# Allegro board meta_module_lay_rev1.brd (continued)
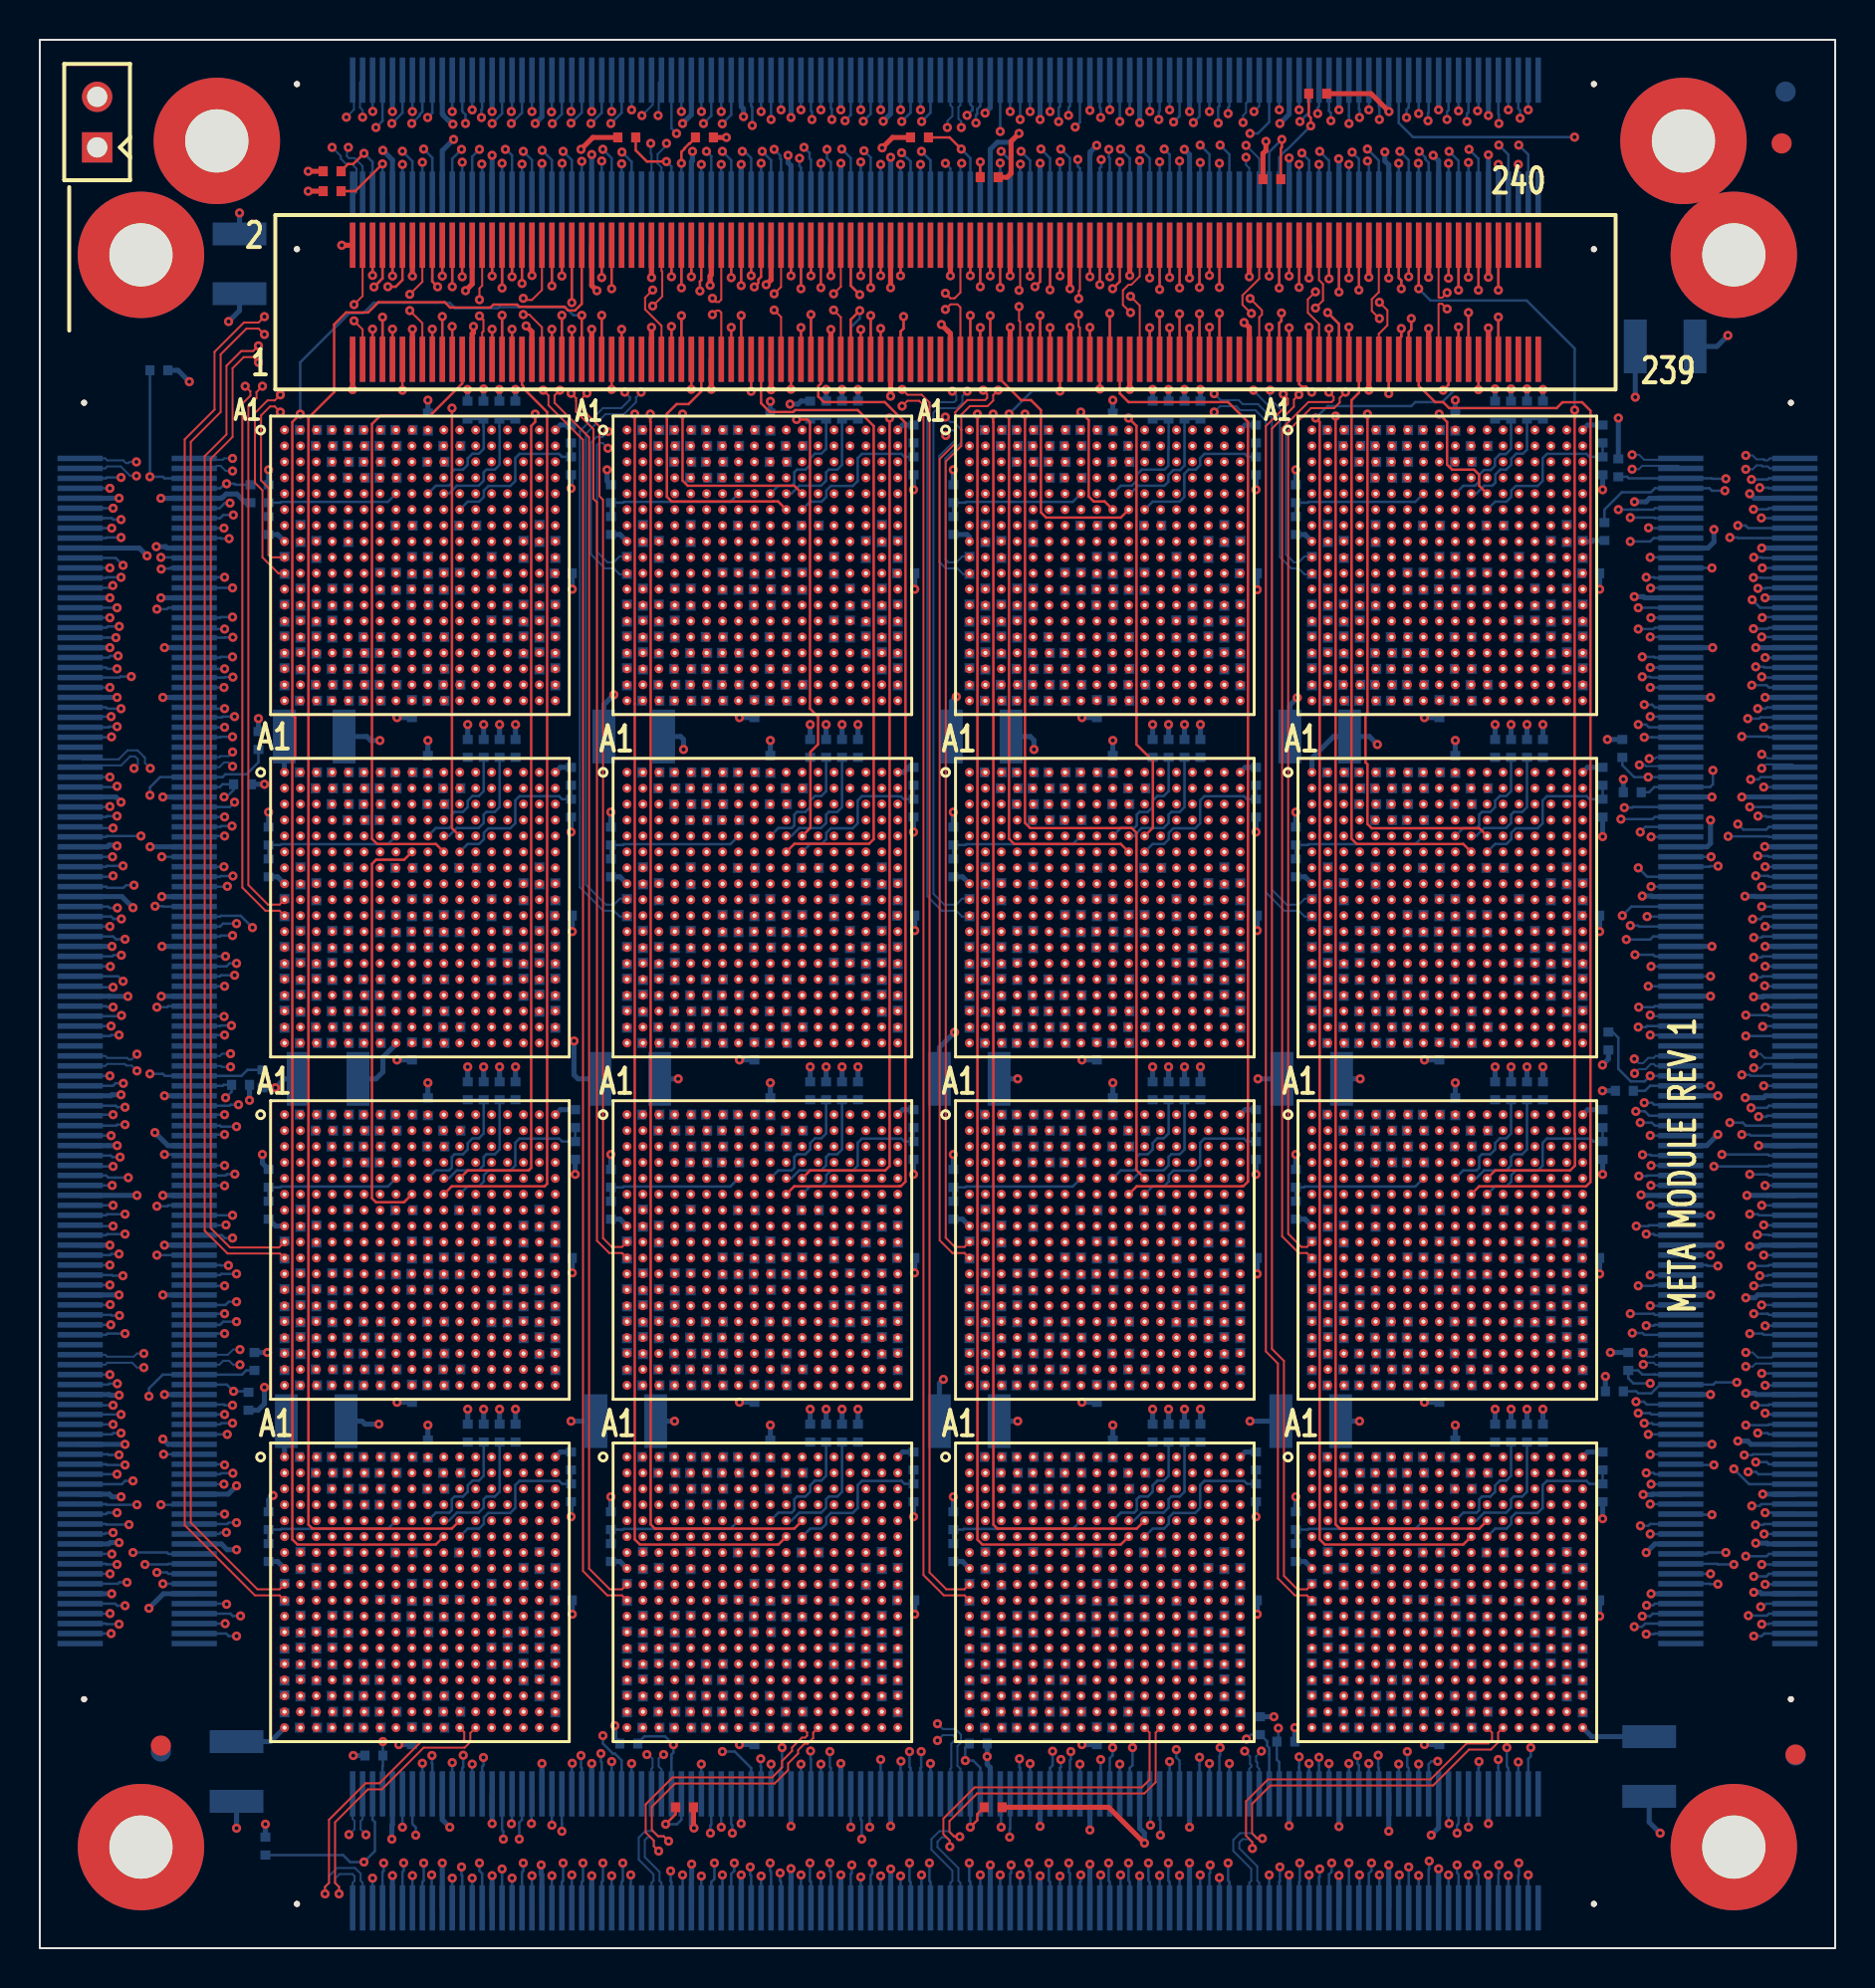
[diagram p0: board, top side]
## Nets (continued)
EW_DATA_P29: R890.1 U10.E16(EA_DATA_OUT_P5) U16.N2(WE_DATA_IN_P5)
EW_DATA_P30: R881.1 U10.D17(EA_DATA_OUT_P6) U16.M3(WE_DATA_IN_P6)
EW_DATA_P31: R883.1 U10.C18(EA_DATA_OUT_P7) U16.L4(WE_DATA_IN_P7)
EW_FRAME_N0: R374.2 U1.J15(EA_FRAME_OUT_N) U7.M2(WE_FRAME_IN_N)
EW_FRAME_N0_SNOW4-1: R32.2 U1.M2(WE_FRAME_IN_N) U3.J15(EA_FRAME_OUT_N)
EW_FRAME_N0_SNOW4-2: R260.2 U5.M2(WE_FRAME_IN_N) U7.J15(EA_FRAME_OUT_N)
EW_FRAME_N0_SNOW4-3: R488.2 U9.M2(WE_FRAME_IN_N) U11.J15(EA_FRAME_OUT_N)
EW_FRAME_N0_SNOW4-4: R716.2 U13.M2(WE_FRAME_IN_N) U15.J15(EA_FRAME_OUT_N)
EW_FRAME_N1: R431.2 U2.J15(EA_FRAME_OUT_N) U8.M2(WE_FRAME_IN_N)
EW_FRAME_N1_SNOW4-1: R89.2 U2.M2(WE_FRAME_IN_N) U4.J15(EA_FRAME_OUT_N)
EW_FRAME_N1_SNOW4-2: R317.2 U6.M2(WE_FRAME_IN_N) U8.J15(EA_FRAME_OUT_N)
EW_FRAME_N1_SNOW4-3: R545.2 U10.M2(WE_FRAME_IN_N) U12.J15(EA_FRAME_OUT_N)
EW_FRAME_N1_SNOW4-4: R773.2 U14.M2(WE_FRAME_IN_N) U16.J15(EA_FRAME_OUT_N)
EW_FRAME_N2: R830.2 U9.J15(EA_FRAME_OUT_N) U15.M2(WE_FRAME_IN_N)
EW_FRAME_N3: R887.2 U10.J15(EA_FRAME_OUT_N) U16.M2(WE_FRAME_IN_N)
EW_FRAME_P0: R374.1 U1.K15(EA_FRAME_OUT_P) U7.L2(WE_FRAME_IN_P)
EW_FRAME_P0_SNOW4-1: R32.1 U1.L2(WE_FRAME_IN_P) U3.K15(EA_FRAME_OUT_P)
EW_FRAME_P0_SNOW4-2: R260.1 U5.L2(WE_FRAME_IN_P) U7.K15(EA_FRAME_OUT_P)
EW_FRAME_P0_SNOW4-3: R488.1 U9.L2(WE_FRAME_IN_P) U11.K15(EA_FRAME_OUT_P)
EW_FRAME_P0_SNOW4-4: R716.1 U13.L2(WE_FRAME_IN_P) U15.K15(EA_FRAME_OUT_P)
EW_FRAME_P1: R431.1 U2.K15(EA_FRAME_OUT_P) U8.L2(WE_FRAME_IN_P)
EW_FRAME_P1_SNOW4-1: R89.1 U2.L2(WE_FRAME_IN_P) U4.K15(EA_FRAME_OUT_P)
EW_FRAME_P1_SNOW4-2: R317.1 U6.L2(WE_FRAME_IN_P) U8.K15(EA_FRAME_OUT_P)
EW_FRAME_P1_SNOW4-3: R545.1 U10.L2(WE_FRAME_IN_P) U12.K15(EA_FRAME_OUT_P)
EW_FRAME_P1_SNOW4-4: R773.1 U14.L2(WE_FRAME_IN_P) U16.K15(EA_FRAME_OUT_P)
EW_FRAME_P2: R830.1 U9.K15(EA_FRAME_OUT_P) U15.L2(WE_FRAME_IN_P)
EW_FRAME_P3: R887.1 U10.K15(EA_FRAME_OUT_P) U16.L2(WE_FRAME_IN_P)
EW_LCK_N0: R372.2 U1.F18(EA_LCLK_OUT_N) U7.N1(WE_LCLK_IN_N)
EW_LCK_N1: R429.2 U2.F18(EA_LCLK_OUT_N) U8.N1(WE_LCLK_IN_N)
EW_LCK_P0: R372.1 U1.G18(EA_LCLK_OUT_P) U7.M1(WE_LCLK_IN_P)
EW_LCK_P1: R429.1 U2.G18(EA_LCLK_OUT_P) U8.M1(WE_LCLK_IN_P)
EW_LCLK_N0_SNOW4-1: R30.2 U1.N1(WE_LCLK_IN_N) U3.F18(EA_LCLK_OUT_N)
EW_LCLK_N0_SNOW4-2: R258.2 U5.N1(WE_LCLK_IN_N) U7.F18(EA_LCLK_OUT_N)
EW_LCLK_N0_SNOW4-3: R486.2 U9.N1(WE_LCLK_IN_N) U11.F18(EA_LCLK_OUT_N)
EW_LCLK_N0_SNOW4-4: R714.2 U13.N1(WE_LCLK_IN_N) U15.F18(EA_LCLK_OUT_N)
EW_LCLK_N1_SNOW4-1: R87.2 U2.N1(WE_LCLK_IN_N) U4.F18(EA_LCLK_OUT_N)
EW_LCLK_N1_SNOW4-2: R315.2 U6.N1(WE_LCLK_IN_N) U8.F18(EA_LCLK_OUT_N)
EW_LCLK_N1_SNOW4-3: R543.2 U10.N1(WE_LCLK_IN_N) U12.F18(EA_LCLK_OUT_N)
EW_LCLK_N1_SNOW4-4: R771.2 U14.N1(WE_LCLK_IN_N) U16.F18(EA_LCLK_OUT_N)
EW_LCLK_N2: R828.2 U9.F18(EA_LCLK_OUT_N) U15.N1(WE_LCLK_IN_N)
EW_LCLK_N3: R885.2 U10.F18(EA_LCLK_OUT_N) U16.N1(WE_LCLK_IN_N)
EW_LCLK_P0_SNOW4-1: R30.1 U1.M1(WE_LCLK_IN_P) U3.G18(EA_LCLK_OUT_P)
EW_LCLK_P0_SNOW4-2: R258.1 U5.M1(WE_LCLK_IN_P) U7.G18(EA_LCLK_OUT_P)
EW_LCLK_P0_SNOW4-3: R486.1 U9.M1(WE_LCLK_IN_P) U11.G18(EA_LCLK_OUT_P)
EW_LCLK_P0_SNOW4-4: R714.1 U13.M1(WE_LCLK_IN_P) U15.G18(EA_LCLK_OUT_P)
EW_LCLK_P1_SNOW4-1: R87.1 U2.M1(WE_LCLK_IN_P) U4.G18(EA_LCLK_OUT_P)
EW_LCLK_P1_SNOW4-2: R315.1 U6.M1(WE_LCLK_IN_P) U8.G18(EA_LCLK_OUT_P)
EW_LCLK_P1_SNOW4-3: R543.1 U10.M1(WE_LCLK_IN_P) U12.G18(EA_LCLK_OUT_P)
EW_LCLK_P1_SNOW4-4: R771.1 U14.M1(WE_LCLK_IN_P) U16.G18(EA_LCLK_OUT_P)
EW_LCLK_P2: R828.1 U9.G18(EA_LCLK_OUT_P) U15.M1(WE_LCLK_IN_P)
EW_LCLK_P3: R885.1 U10.G18(EA_LCLK_OUT_P) U16.M1(WE_LCLK_IN_P)
EW_WAIT_RD_N0: R376.2 U1.J17(EA_WAIT_RD_OUT_N) U7.H2(WE_WAIT_RD_IN_N)
EW_WAIT_RD_N0_SNOW4-1: R34.2 U1.H2(WE_WAIT_RD_IN_N) U3.J17(EA_WAIT_RD_OUT_N)
EW_WAIT_RD_N0_SNOW4-2: R262.2 U5.H2(WE_WAIT_RD_IN_N) U7.J17(EA_WAIT_RD_OUT_N)
EW_WAIT_RD_N0_SNOW4-3: R490.2 U9.H2(WE_WAIT_RD_IN_N) U11.J17(EA_WAIT_RD_OUT_N)
EW_WAIT_RD_N0_SNOW4-4: R718.2 U13.H2(WE_WAIT_RD_IN_N) U15.J17(EA_WAIT_RD_OUT_N)
EW_WAIT_RD_N1: R433.2 U2.J17(EA_WAIT_RD_OUT_N) U8.H2(WE_WAIT_RD_IN_N)
EW_WAIT_RD_N1_SNOW4-1: R91.2 U2.H2(WE_WAIT_RD_IN_N) U4.J17(EA_WAIT_RD_OUT_N)
EW_WAIT_RD_N1_SNOW4-2: R319.2 U6.H2(WE_WAIT_RD_IN_N) U8.J17(EA_WAIT_RD_OUT_N)
EW_WAIT_RD_N1_SNOW4-3: R547.2 U10.H2(WE_WAIT_RD_IN_N) U12.J17(EA_WAIT_RD_OUT_N)
EW_WAIT_RD_N1_SNOW4-4: R775.2 U14.H2(WE_WAIT_RD_IN_N) U16.J17(EA_WAIT_RD_OUT_N)
EW_WAIT_RD_N2: R832.2 U9.J17(EA_WAIT_RD_OUT_N) U15.H2(WE_WAIT_RD_IN_N)
EW_WAIT_RD_N3: R889.2 U10.J17(EA_WAIT_RD_OUT_N) U16.H2(WE_WAIT_RD_IN_N)
EW_WAIT_RD_P0: R376.1 U1.K17(EA_WAIT_RD_OUT_P) U7.G2(WE_WAIT_RD_IN_P)
EW_WAIT_RD_P0_SNOW4-1: R34.1 U1.G2(WE_WAIT_RD_IN_P) U3.K17(EA_WAIT_RD_OUT_P)
EW_WAIT_RD_P0_SNOW4-2: R262.1 U5.G2(WE_WAIT_RD_IN_P) U7.K17(EA_WAIT_RD_OUT_P)
EW_WAIT_RD_P0_SNOW4-3: R490.1 U9.G2(WE_WAIT_RD_IN_P) U11.K17(EA_WAIT_RD_OUT_P)
EW_WAIT_RD_P0_SNOW4-4: R718.1 U13.G2(WE_WAIT_RD_IN_P) U15.K17(EA_WAIT_RD_OUT_P)
EW_WAIT_RD_P1: R433.1 U2.K17(EA_WAIT_RD_OUT_P) U8.G2(WE_WAIT_RD_IN_P)
EW_WAIT_RD_P1_SNOW4-1: R91.1 U2.G2(WE_WAIT_RD_IN_P) U4.K17(EA_WAIT_RD_OUT_P)
EW_WAIT_RD_P1_SNOW4-2: R319.1 U6.G2(WE_WAIT_RD_IN_P) U8.K17(EA_WAIT_RD_OUT_P)
EW_WAIT_RD_P1_SNOW4-3: R547.1 U10.G2(WE_WAIT_RD_IN_P) U12.K17(EA_WAIT_RD_OUT_P)
EW_WAIT_RD_P1_SNOW4-4: R775.1 U14.G2(WE_WAIT_RD_IN_P) U16.K17(EA_WAIT_RD_OUT_P)
EW_WAIT_RD_P2: R832.1 U9.K17(EA_WAIT_RD_OUT_P) U15.G2(WE_WAIT_RD_IN_P)
EW_WAIT_RD_P3: R889.1 U10.K17(EA_WAIT_RD_OUT_P) U16.G2(WE_WAIT_RD_IN_P)
EW_WAIT_WR_N0: R378.2 U1.K16(EA_WAIT_WR_OUT_N) U7.J3(WE_WAIT_WR_IN_N)
EW_WAIT_WR_N0_SNOW4-1: R36.2 U1.J3(WE_WAIT_WR_IN_N) U3.K16(EA_WAIT_WR_OUT_N)
EW_WAIT_WR_N0_SNOW4-2: R264.2 U5.J3(WE_WAIT_WR_IN_N) U7.K16(EA_WAIT_WR_OUT_N)
EW_WAIT_WR_N0_SNOW4-3: R492.2 U9.J3(WE_WAIT_WR_IN_N) U11.K16(EA_WAIT_WR_OUT_N)
EW_WAIT_WR_N0_SNOW4-4: R720.2 U13.J3(WE_WAIT_WR_IN_N) U15.K16(EA_WAIT_WR_OUT_N)
EW_WAIT_WR_N1: R435.2 U2.K16(EA_WAIT_WR_OUT_N) U8.J3(WE_WAIT_WR_IN_N)
EW_WAIT_WR_N1_SNOW4-1: R93.2 U2.J3(WE_WAIT_WR_IN_N) U4.K16(EA_WAIT_WR_OUT_N)
EW_WAIT_WR_N1_SNOW4-2: R321.2 U6.J3(WE_WAIT_WR_IN_N) U8.K16(EA_WAIT_WR_OUT_N)
EW_WAIT_WR_N1_SNOW4-3: R549.2 U10.J3(WE_WAIT_WR_IN_N) U12.K16(EA_WAIT_WR_OUT_N)
EW_WAIT_WR_N1_SNOW4-4: R777.2 U14.J3(WE_WAIT_WR_IN_N) U16.K16(EA_WAIT_WR_OUT_N)
EW_WAIT_WR_N2: R834.2 U9.K16(EA_WAIT_WR_OUT_N) U15.J3(WE_WAIT_WR_IN_N)
EW_WAIT_WR_N3: R891.2 U10.K16(EA_WAIT_WR_OUT_N) U16.J3(WE_WAIT_WR_IN_N)
EW_WAIT_WR_P0: R378.1 U1.L16(EA_WAIT_WR_OUT_P) U7.H3(WE_WAIT_WR_IN_P)
EW_WAIT_WR_P0_SNOW4-1: R36.1 U1.H3(WE_WAIT_WR_IN_P) U3.L16(EA_WAIT_WR_OUT_P)
EW_WAIT_WR_P0_SNOW4-2: R264.1 U5.H3(WE_WAIT_WR_IN_P) U7.L16(EA_WAIT_WR_OUT_P)
EW_WAIT_WR_P0_SNOW4-3: R492.1 U9.H3(WE_WAIT_WR_IN_P) U11.L16(EA_WAIT_WR_OUT_P)
EW_WAIT_WR_P0_SNOW4-4: R720.1 U13.H3(WE_WAIT_WR_IN_P) U15.L16(EA_WAIT_WR_OUT_P)
EW_WAIT_WR_P1: R435.1 U2.L16(EA_WAIT_WR_OUT_P) U8.H3(WE_WAIT_WR_IN_P)
EW_WAIT_WR_P1_SNOW4-1: R93.1 U2.H3(WE_WAIT_WR_IN_P) U4.L16(EA_WAIT_WR_OUT_P)
EW_WAIT_WR_P1_SNOW4-2: R321.1 U6.H3(WE_WAIT_WR_IN_P) U8.L16(EA_WAIT_WR_OUT_P)
EW_WAIT_WR_P1_SNOW4-3: R549.1 U10.H3(WE_WAIT_WR_IN_P) U12.L16(EA_WAIT_WR_OUT_P)
EW_WAIT_WR_P1_SNOW4-4: R777.1 U14.H3(WE_WAIT_WR_IN_P) U16.L16(EA_WAIT_WR_OUT_P)
EW_WAIT_WR_P2: R834.1 U9.L16(EA_WAIT_WR_OUT_P) U15.H3(WE_WAIT_WR_IN_P)
EW_WAIT_WR_P3: R891.1 U10.L16(EA_WAIT_WR_OUT_P) U16.H3(WE_WAIT_WR_IN_P)
FAN: J15.2 J16.55
FLAG0: J16.12 U3.E12(FLAG)
FLAG1: J16.72(12) U1.E12(FLAG)
FLAG2: J16.24 U4.E12(FLAG)
FLAG3: J16.84(24) U2.E12(FLAG)
FLAG4: J16.132(12) U7.E12(FLAG)
FLAG5: J16.192(12) U5.E12(FLAG)
FLAG6: J16.144(24) U8.E12(FLAG)
FLAG7: J16.204(24) U6.E12(FLAG)
FLAG8: J16.36 U11.E12(FLAG)
FLAG9: J16.96(36) U9.E12(FLAG)
FLAG10: J16.48 U12.E12(FLAG)
FLAG11: J16.108(48) U10.E12(FLAG)
FLAG12: J16.156(36) U15.E12(FLAG)
FLAG13: J16.216(36) U13.E12(FLAG)
FLAG14: J16.168(48) U16.E12(FLAG)
FLAG15: J16.228(48) U14.E12(FLAG)
MVDD0: J16.53 U3.F8(MVDD)
MVDD_SNOW4-1_TILE-1: U2.F8(MVDD)
MVDD_SNOW4-1_TILE-2: U1.F8(MVDD)
MVDD_SNOW4-1_TILE-4: U4.F8(MVDD)
MVDD_SNOW4-2: U7.F8(MVDD)
MVDD_SNOW4-2_TILE-1: U6.F8(MVDD)
MVDD_SNOW4-2_TILE-2: U5.F8(MVDD)
MVDD_SNOW4-2_TILE-4: U8.F8(MVDD)
MVDD_SNOW4-3: U11.F8(MVDD)
MVDD_SNOW4-3_TILE-1: U10.F8(MVDD)
MVDD_SNOW4-3_TILE-2: U9.F8(MVDD)
MVDD_SNOW4-3_TILE-4: U12.F8(MVDD)
MVDD_SNOW4-4: U15.F8(MVDD)
MVDD_SNOW4-4_TILE-1: U14.F8(MVDD)
MVDD_SNOW4-4_TILE-2: U13.F8(MVDD)
MVDD_SNOW4-4_TILE-4: U16.F8(MVDD)
MVSS0: J16.54 U3.F7(MVSS)
MVSS_SNOW4-1_TILE-1: U2.F7(MVSS)
MVSS_SNOW4-1_TILE-2: U1.F7(MVSS)
MVSS_SNOW4-1_TILE-4: U4.F7(MVSS)
MVSS_SNOW4-2: U7.F7(MVSS)
MVSS_SNOW4-2_TILE-1: U6.F7(MVSS)
MVSS_SNOW4-2_TILE-2: U5.F7(MVSS)
MVSS_SNOW4-2_TILE-4: U8.F7(MVSS)
MVSS_SNOW4-3: U11.F7(MVSS)
MVSS_SNOW4-3_TILE-1: U10.F7(MVSS)
MVSS_SNOW4-3_TILE-2: U9.F7(MVSS)
MVSS_SNOW4-3_TILE-4: U12.F7(MVSS)
MVSS_SNOW4-4: U15.F7(MVSS)
MVSS_SNOW4-4_TILE-1: U14.F7(MVSS)
MVSS_SNOW4-4_TILE-2: U13.F7(MVSS)
MVSS_SNOW4-4_TILE-4: U16.F7(MVSS)
N7578993_SNOW4-1_TILE-1: R920.2 U2.V9(SO_CLK_P)
N7578993_SNOW4-1_TILE-2: R916.2 U1.V9(SO_CLK_P)
N7578993_SNOW4-1_TILE-3: R914.2 U3.V9(SO_CLK_P)
N7578993_SNOW4-1_TILE-4: R918.2 U4.V9(SO_CLK_P)
N7578993_SNOW4-2_TILE-1: R928.2 U6.V9(SO_CLK_P)
N7578993_SNOW4-2_TILE-2: R924.2 U5.V9(SO_CLK_P)
N7578993_SNOW4-2_TILE-3: R922.2 U7.V9(SO_CLK_P)
N7578993_SNOW4-2_TILE-4: R926.2 U8.V9(SO_CLK_P)
N7578993_SNOW4-3_TILE-1: R936.2 U10.V9(SO_CLK_P)
N7578993_SNOW4-3_TILE-2: R932.2 U9.V9(SO_CLK_P)
N7578993_SNOW4-3_TILE-3: R930.2 U11.V9(SO_CLK_P)
N7578993_SNOW4-3_TILE-4: R934.2 U12.V9(SO_CLK_P)
N7578993_SNOW4-4_TILE-1: R944.2 U14.V9(SO_CLK_P)
N7578993_SNOW4-4_TILE-2: R940.2 U13.V9(SO_CLK_P)
N7578993_SNOW4-4_TILE-3: R938.2 U15.V9(SO_CLK_P)
N7578993_SNOW4-4_TILE-4: R942.2 U16.V9(SO_CLK_P)
N7579000_SNOW4-1_TILE-1: R919.2 U2.V10(SO_CLK_N)
N7579000_SNOW4-1_TILE-2: R915.2 U1.V10(SO_CLK_N)
N7579000_SNOW4-1_TILE-3: R913.2 U3.V10(SO_CLK_N)
N7579000_SNOW4-1_TILE-4: R917.2 U4.V10(SO_CLK_N)
N7579000_SNOW4-2_TILE-1: R927.2 U6.V10(SO_CLK_N)
N7579000_SNOW4-2_TILE-2: R923.2 U5.V10(SO_CLK_N)
N7579000_SNOW4-2_TILE-3: R921.2 U7.V10(SO_CLK_N)
N7579000_SNOW4-2_TILE-4: R925.2 U8.V10(SO_CLK_N)
N7579000_SNOW4-3_TILE-1: R935.2 U10.V10(SO_CLK_N)
N7579000_SNOW4-3_TILE-2: R931.2 U9.V10(SO_CLK_N)
N7579000_SNOW4-3_TILE-3: R929.2 U11.V10(SO_CLK_N)
N7579000_SNOW4-3_TILE-4: R933.2 U12.V10(SO_CLK_N)
N7579000_SNOW4-4_TILE-1: R943.2 U14.V10(SO_CLK_N)
N7579000_SNOW4-4_TILE-2: R939.2 U13.V10(SO_CLK_N)
N7579000_SNOW4-4_TILE-3: R937.2 U15.V10(SO_CLK_N)
N7579000_SNOW4-4_TILE-4: R941.2 U16.V10(SO_CLK_N)
N7582742_SNOW4-1_TILE-1: R959.1 U2.K18(EA_CLK_P)
N7582742_SNOW4-1_TILE-2: R951.1 U1.K18(EA_CLK_P)
N7582742_SNOW4-1_TILE-3: R947.1 U3.K18(EA_CLK_P)
N7582742_SNOW4-1_TILE-4: R955.1 U4.K18(EA_CLK_P)
N7582742_SNOW4-2_TILE-1: R975.1 U6.K18(EA_CLK_P)
N7582742_SNOW4-2_TILE-2: R967.1 U5.K18(EA_CLK_P)
N7582742_SNOW4-2_TILE-3: R963.1 U7.K18(EA_CLK_P)
N7582742_SNOW4-2_TILE-4: R971.1 U8.K18(EA_CLK_P)
N7582742_SNOW4-3_TILE-1: R991.1 U10.K18(EA_CLK_P)
N7582742_SNOW4-3_TILE-2: R983.1 U9.K18(EA_CLK_P)
N7582742_SNOW4-3_TILE-3: R979.1 U11.K18(EA_CLK_P)
N7582742_SNOW4-3_TILE-4: R987.1 U12.K18(EA_CLK_P)
N7582742_SNOW4-4_TILE-1: R1007.1 U14.K18(EA_CLK_P)
N7582742_SNOW4-4_TILE-2: R999.1 U13.K18(EA_CLK_P)
N7582742_SNOW4-4_TILE-3: R995.1 U15.K18(EA_CLK_P)
N7582742_SNOW4-4_TILE-4: R1003.1 U16.K18(EA_CLK_P)
N7582754_SNOW4-1_TILE-1: R960.1 U2.J18(EA._CLK_N)
N7582754_SNOW4-1_TILE-2: R952.1 U1.J18(EA._CLK_N)
N7582754_SNOW4-1_TILE-3: R948.1 U3.J18(EA._CLK_N)
N7582754_SNOW4-1_TILE-4: R956.1 U4.J18(EA._CLK_N)
N7582754_SNOW4-2_TILE-1: R976.1 U6.J18(EA._CLK_N)
N7582754_SNOW4-2_TILE-2: R968.1 U5.J18(EA._CLK_N)
N7582754_SNOW4-2_TILE-3: R964.1 U7.J18(EA._CLK_N)
N7582754_SNOW4-2_TILE-4: R972.1 U8.J18(EA._CLK_N)
N7582754_SNOW4-3_TILE-1: R992.1 U10.J18(EA._CLK_N)
N7582754_SNOW4-3_TILE-2: R984.1 U9.J18(EA._CLK_N)
N7582754_SNOW4-3_TILE-3: R980.1 U11.J18(EA._CLK_N)
N7582754_SNOW4-3_TILE-4: R988.1 U12.J18(EA._CLK_N)
N7582754_SNOW4-4_TILE-1: R1008.1 U14.J18(EA._CLK_N)
N7582754_SNOW4-4_TILE-2: R1000.1 U13.J18(EA._CLK_N)
N7582754_SNOW4-4_TILE-3: R996.1 U15.J18(EA._CLK_N)
N7582754_SNOW4-4_TILE-4: R1004.1 U16.J18(EA._CLK_N)
N7582818_SNOW4-1_TILE-1: R958.2 U2.A10(NO_CLK_P)
N7582818_SNOW4-1_TILE-2: R950.2 U1.A10(NO_CLK_P)
N7582818_SNOW4-1_TILE-3: R946.2 U3.A10(NO_CLK_P)
N7582818_SNOW4-1_TILE-4: R954.2 U4.A10(NO_CLK_P)
N7582818_SNOW4-2_TILE-1: R974.2 U6.A10(NO_CLK_P)
N7582818_SNOW4-2_TILE-2: R966.2 U5.A10(NO_CLK_P)
N7582818_SNOW4-2_TILE-3: R962.2 U7.A10(NO_CLK_P)
N7582818_SNOW4-2_TILE-4: R970.2 U8.A10(NO_CLK_P)
N7582818_SNOW4-3_TILE-1: R990.2 U10.A10(NO_CLK_P)
N7582818_SNOW4-3_TILE-2: R982.2 U9.A10(NO_CLK_P)
N7582818_SNOW4-3_TILE-3: R978.2 U11.A10(NO_CLK_P)
N7582818_SNOW4-3_TILE-4: R986.2 U12.A10(NO_CLK_P)
N7582818_SNOW4-4_TILE-1: R1006.2 U14.A10(NO_CLK_P)
N7582818_SNOW4-4_TILE-2: R998.2 U13.A10(NO_CLK_P)
N7582818_SNOW4-4_TILE-3: R994.2 U15.A10(NO_CLK_P)
N7582818_SNOW4-4_TILE-4: R1002.2 U16.A10(NO_CLK_P)
N7582825_SNOW4-1_TILE-1: R957.2 U2.A9(NO_CLK_N)
N7582825_SNOW4-1_TILE-2: R949.2 U1.A9(NO_CLK_N)
N7582825_SNOW4-1_TILE-3: R945.2 U3.A9(NO_CLK_N)
N7582825_SNOW4-1_TILE-4: R953.2 U4.A9(NO_CLK_N)
N7582825_SNOW4-2_TILE-1: R973.2 U6.A9(NO_CLK_N)
N7582825_SNOW4-2_TILE-2: R965.2 U5.A9(NO_CLK_N)
N7582825_SNOW4-2_TILE-3: R961.2 U7.A9(NO_CLK_N)
N7582825_SNOW4-2_TILE-4: R969.2 U8.A9(NO_CLK_N)
N7582825_SNOW4-3_TILE-1: R989.2 U10.A9(NO_CLK_N)
N7582825_SNOW4-3_TILE-2: R981.2 U9.A9(NO_CLK_N)
N7582825_SNOW4-3_TILE-3: R977.2 U11.A9(NO_CLK_N)
N7582825_SNOW4-3_TILE-4: R985.2 U12.A9(NO_CLK_N)
N7582825_SNOW4-4_TILE-1: R1005.2 U14.A9(NO_CLK_N)
N7582825_SNOW4-4_TILE-2: R997.2 U13.A9(NO_CLK_N)
N7582825_SNOW4-4_TILE-3: R993.2 U15.A9(NO_CLK_N)
N7582825_SNOW4-4_TILE-4: R1001.2 U16.A9(NO_CLK_N)
NO_DATA_IN_N0: J1.219(39) R115.2 U3.A2(NO_DATA_IN_N0)
NO_DATA_IN_N1: J1.215(35) R117.2 U3.B3(NO_DATA_IN_N1)
NO_DATA_IN_N2: J1.209(29) R119.2 U3.C4(NO_DATA_IN_N2)
NO_DATA_IN_N3: J1.205(25) R121.2 U3.D5(NO_DATA_IN_N3)
NO_DATA_IN_N4: J1.199(19) R123.2 U3.A4(NO_DATA_IN_N4)
NO_DATA_IN_N5: J1.195(15) R125.2 U3.B5(NO_DATA_IN_N5)
NO_DATA_IN_N6: J1.189(9) R116.2 U3.C6(NO_DATA_IN_N6)
NO_DATA_IN_N7: J1.185(5) R118.2 U3.D7(NO_DATA_IN_N7)
NO_DATA_IN_N8: J1.159(39) R1.2 U1.A2(NO_DATA_IN_N0)
NO_DATA_IN_N9: J1.155(35) R3.2 U1.B3(NO_DATA_IN_N1)
NO_DATA_IN_N10: J1.149(29) R5.2 U1.C4(NO_DATA_IN_N2)
NO_DATA_IN_N11: J1.145(25) R7.2 U1.D5(NO_DATA_IN_N3)
NO_DATA_IN_N12: J1.139(19) R9.2 U1.A4(NO_DATA_IN_N4)
NO_DATA_IN_N13: J1.135(15) R11.2 U1.B5(NO_DATA_IN_N5)
NO_DATA_IN_N14: J1.129(9) R2.2 U1.C6(NO_DATA_IN_N6)
NO_DATA_IN_N15: J1.125(5) R4.2 U1.D7(NO_DATA_IN_N7)
NO_DATA_IN_N16: J1.99(39) R343.2 U7.A2(NO_DATA_IN_N0)
NO_DATA_IN_N17: J1.95(35) R345.2 U7.B3(NO_DATA_IN_N1)
NO_DATA_IN_N18: J1.89(29) R347.2 U7.C4(NO_DATA_IN_N2)
NO_DATA_IN_N19: J1.85(25) R349.2 U7.D5(NO_DATA_IN_N3)
NO_DATA_IN_N20: J1.79(19) R351.2 U7.A4(NO_DATA_IN_N4)
NO_DATA_IN_N21: J1.75(15) R353.2 U7.B5(NO_DATA_IN_N5)
NO_DATA_IN_N22: J1.69(9) R344.2 U7.C6(NO_DATA_IN_N6)
NO_DATA_IN_N23: J1.65(5) R346.2 U7.D7(NO_DATA_IN_N7)
NO_DATA_IN_N24: J1.39 R229.2 U5.A2(NO_DATA_IN_N0)
NO_DATA_IN_N25: J1.35 R231.2 U5.B3(NO_DATA_IN_N1)
NO_DATA_IN_N26: J1.29 R233.2 U5.C4(NO_DATA_IN_N2)
NO_DATA_IN_N27: J1.25 R235.2 U5.D5(NO_DATA_IN_N3)
NO_DATA_IN_N28: J1.19 R237.2 U5.A4(NO_DATA_IN_N4)
NO_DATA_IN_N29: J1.15 R239.2 U5.B5(NO_DATA_IN_N5)
NO_DATA_IN_N30: J1.9 R230.2 U5.C6(NO_DATA_IN_N6)
NO_DATA_IN_N31: J1.5 R232.2 U5.D7(NO_DATA_IN_N7)
NO_DATA_IN_P0: J1.217(37) R115.1 U3.A3(NO_DATA_IN_P0)
NO_DATA_IN_P1: J1.213(33) R117.1 U3.B4(NO_DATA_IN_P1)
NO_DATA_IN_P2: J1.207(27) R119.1 U3.C5(NO_DATA_IN_P2)
NO_DATA_IN_P3: J1.203(23) R121.1 U3.D6(NO_DATA_IN_P3)
NO_DATA_IN_P4: J1.197(17) R123.1 U3.A5(NO_DATA_IN_P4)
NO_DATA_IN_P5: J1.193(13) R125.1 U3.B6(NO_DATA_IN_P5)
NO_DATA_IN_P6: J1.187(7) R116.1 U3.C7(NO_DATA_IN_P6)
NO_DATA_IN_P7: J1.183(3) R118.1 U3.D8(NO_DATA_IN_P7)
NO_DATA_IN_P8: J1.157(37) R1.1 U1.A3(NO_DATA_IN_P0)
NO_DATA_IN_P9: J1.153(33) R3.1 U1.B4(NO_DATA_IN_P1)
NO_DATA_IN_P10: J1.147(27) R5.1 U1.C5(NO_DATA_IN_P2)
NO_DATA_IN_P11: J1.143(23) R7.1 U1.D6(NO_DATA_IN_P3)
NO_DATA_IN_P12: J1.137(17) R9.1 U1.A5(NO_DATA_IN_P4)
NO_DATA_IN_P13: J1.133(13) R11.1 U1.B6(NO_DATA_IN_P5)
NO_DATA_IN_P14: J1.127(7) R2.1 U1.C7(NO_DATA_IN_P6)
NO_DATA_IN_P15: J1.123(3) R4.1 U1.D8(NO_DATA_IN_P7)
NO_DATA_IN_P16: J1.97(37) R343.1 U7.A3(NO_DATA_IN_P0)
NO_DATA_IN_P17: J1.93(33) R345.1 U7.B4(NO_DATA_IN_P1)
NO_DATA_IN_P18: J1.87(27) R347.1 U7.C5(NO_DATA_IN_P2)
NO_DATA_IN_P19: J1.83(23) R349.1 U7.D6(NO_DATA_IN_P3)
NO_DATA_IN_P20: J1.77(17) R351.1 U7.A5(NO_DATA_IN_P4)
NO_DATA_IN_P21: J1.73(13) R353.1 U7.B6(NO_DATA_IN_P5)
NO_DATA_IN_P22: J1.67(7) R344.1 U7.C7(NO_DATA_IN_P6)
NO_DATA_IN_P23: J1.63(3) R346.1 U7.D8(NO_DATA_IN_P7)
NO_DATA_IN_P24: J1.37 R229.1 U5.A3(NO_DATA_IN_P0)
NO_DATA_IN_P25: J1.33 R231.1 U5.B4(NO_DATA_IN_P1)
NO_DATA_IN_P26: J1.27 R233.1 U5.C5(NO_DATA_IN_P2)
NO_DATA_IN_P27: J1.23 R235.1 U5.D6(NO_DATA_IN_P3)
NO_DATA_IN_P28: J1.17 R237.1 U5.A5(NO_DATA_IN_P4)
NO_DATA_IN_P29: J1.13 R239.1 U5.B6(NO_DATA_IN_P5)
NO_DATA_IN_P30: J1.7 R230.1 U5.C7(NO_DATA_IN_P6)
NO_DATA_IN_P31: J1.3 R232.1 U5.D8(NO_DATA_IN_P7)
NO_DATA_OUT_N0: J1.220(40) U3.D11(NO_DATA_OUT_N0)
NO_DATA_OUT_N1: J1.216(36) U3.C12(NO_DATA_OUT_N1)
NO_DATA_OUT_N2: J1.210(30) U3.B13(NO_DATA_OUT_N2)
NO_DATA_OUT_N3: J1.206(26) U3.A14(NO_DATA_OUT_N3)
NO_DATA_OUT_N4: J1.200(20) U3.D13(NO_DATA_OUT_N4)
NO_DATA_OUT_N5: J1.196(16) U3.C14(NO_DATA_OUT_N5)
NO_DATA_OUT_N6: J1.190(10) U3.B15(NO_DATA_OUT_N6)
NO_DATA_OUT_N7: J1.186(6) U3.A16(NO_DATA_OUT_N7)
NO_DATA_OUT_N8: J1.160(40) U1.D11(NO_DATA_OUT_N0)
NO_DATA_OUT_N9: J1.156(36) U1.C12(NO_DATA_OUT_N1)
NO_DATA_OUT_N10: J1.150(30) U1.B13(NO_DATA_OUT_N2)
NO_DATA_OUT_N11: J1.146(26) U1.A14(NO_DATA_OUT_N3)
NO_DATA_OUT_N12: J1.140(20) U1.D13(NO_DATA_OUT_N4)
NO_DATA_OUT_N13: J1.136(16) U1.C14(NO_DATA_OUT_N5)
NO_DATA_OUT_N14: J1.130(10) U1.B15(NO_DATA_OUT_N6)
NO_DATA_OUT_N15: J1.126(6) U1.A16(NO_DATA_OUT_N7)
NO_DATA_OUT_N16: J1.100(40) U7.D11(NO_DATA_OUT_N0)
NO_DATA_OUT_N17: J1.96(36) U7.C12(NO_DATA_OUT_N1)
NO_DATA_OUT_N18: J1.90(30) U7.B13(NO_DATA_OUT_N2)
NO_DATA_OUT_N19: J1.86(26) U7.A14(NO_DATA_OUT_N3)
NO_DATA_OUT_N20: J1.80(20) U7.D13(NO_DATA_OUT_N4)
NO_DATA_OUT_N21: J1.76(16) U7.C14(NO_DATA_OUT_N5)
NO_DATA_OUT_N22: J1.70(10) U7.B15(NO_DATA_OUT_N6)
NO_DATA_OUT_N23: J1.66(6) U7.A16(NO_DATA_OUT_N7)
NO_DATA_OUT_N24: J1.40 U5.D11(NO_DATA_OUT_N0)
NO_DATA_OUT_N25: J1.36 U5.C12(NO_DATA_OUT_N1)
NO_DATA_OUT_N26: J1.30 U5.B13(NO_DATA_OUT_N2)
NO_DATA_OUT_N27: J1.26 U5.A14(NO_DATA_OUT_N3)
NO_DATA_OUT_N28: J1.20 U5.D13(NO_DATA_OUT_N4)
NO_DATA_OUT_N29: J1.16 U5.C14(NO_DATA_OUT_N5)
NO_DATA_OUT_N30: J1.10 U5.B15(NO_DATA_OUT_N6)
NO_DATA_OUT_N31: J1.6 U5.A16(NO_DATA_OUT_N7)
NO_DATA_OUT_P0: J1.218(38) U3.D12(NO_DATA_OUT_P0)
NO_DATA_OUT_P1: J1.214(34) U3.C13(NO_DATA_OUT_P1)
NO_DATA_OUT_P2: J1.208(28) U3.B14(NO_DATA_OUT_P2)
NO_DATA_OUT_P3: J1.204(24) U3.A15(NO_DATA_OUT_P3)
NO_DATA_OUT_P4: J1.198(18) U3.D14(NO_DATA_OUT_P4)
NO_DATA_OUT_P5: J1.194(14) U3.C15(NO_DATA_OUT_P5)
NO_DATA_OUT_P6: J1.188(8) U3.B16(NO_DATA_OUT_P6)
NO_DATA_OUT_P7: J1.184(4) U3.A17(NO_DATA_OUT_P7)
NO_DATA_OUT_P8: J1.158(38) U1.D12(NO_DATA_OUT_P0)
NO_DATA_OUT_P9: J1.154(34) U1.C13(NO_DATA_OUT_P1)
NO_DATA_OUT_P10: J1.148(28) U1.B14(NO_DATA_OUT_P2)
NO_DATA_OUT_P11: J1.144(24) U1.A15(NO_DATA_OUT_P3)
NO_DATA_OUT_P12: J1.138(18) U1.D14(NO_DATA_OUT_P4)
NO_DATA_OUT_P13: J1.134(14) U1.C15(NO_DATA_OUT_P5)
NO_DATA_OUT_P14: J1.128(8) U1.B16(NO_DATA_OUT_P6)
NO_DATA_OUT_P15: J1.124(4) U1.A17(NO_DATA_OUT_P7)
NO_DATA_OUT_P16: J1.98(38) U7.D12(NO_DATA_OUT_P0)
NO_DATA_OUT_P17: J1.94(34) U7.C13(NO_DATA_OUT_P1)
NO_DATA_OUT_P18: J1.88(28) U7.B14(NO_DATA_OUT_P2)
NO_DATA_OUT_P19: J1.84(24) U7.A15(NO_DATA_OUT_P3)
NO_DATA_OUT_P20: J1.78(18) U7.D14(NO_DATA_OUT_P4)
NO_DATA_OUT_P21: J1.74(14) U7.C15(NO_DATA_OUT_P5)
NO_DATA_OUT_P22: J1.68(8) U7.B16(NO_DATA_OUT_P6)
NO_DATA_OUT_P23: J1.64(4) U7.A17(NO_DATA_OUT_P7)
NO_DATA_OUT_P24: J1.38 U5.D12(NO_DATA_OUT_P0)
NO_DATA_OUT_P25: J1.34 U5.C13(NO_DATA_OUT_P1)
NO_DATA_OUT_P26: J1.28 U5.B14(NO_DATA_OUT_P2)
NO_DATA_OUT_P27: J1.24 U5.A15(NO_DATA_OUT_P3)
NO_DATA_OUT_P28: J1.18 U5.D14(NO_DATA_OUT_P4)
NO_DATA_OUT_P29: J1.14 U5.C15(NO_DATA_OUT_P5)
NO_DATA_OUT_P30: J1.8 U5.B16(NO_DATA_OUT_P6)
NO_DATA_OUT_P31: J1.4 U5.A17(NO_DATA_OUT_P7)
NO_FRAME_IN_N0: J1.235(55) R122.2 R1033.1 U3.B7(NO_FRAME_IN_N)
NO_FRAME_IN_N1: J1.175(55) R8.2 R1034.1 U1.B7(NO_FRAME_IN_N)
NO_FRAME_IN_N2: J1.115(55) R350.2 R1035.1 U7.B7(NO_FRAME_IN_N)
NO_FRAME_IN_N3: J1.55 R236.2 R1036.1 U5.B7(NO_FRAME_IN_N)
NO_FRAME_IN_P0: J1.233(53) R122.1 R1037.2 U3.B8(NO_FRAME_IN_P)
NO_FRAME_IN_P1: J1.173(53) R8.1 R1038.2 U1.B8(NO_FRAME_IN_P)
NO_FRAME_IN_P2: J1.113(53) R350.1 R1039.2 U7.B8(NO_FRAME_IN_P)
NO_FRAME_IN_P3: J1.53 R236.1 R1040.2 U5.B8(NO_FRAME_IN_P)
NO_FRAME_OUT_N0: J1.236(56) U3.D9(NO_FRAME_OUT_N)
NO_FRAME_OUT_N1: J1.176(56) U1.D9(NO_FRAME_OUT_N)
NO_FRAME_OUT_N2: J1.116(56) U7.D9(NO_FRAME_OUT_N)
NO_FRAME_OUT_N3: J1.56 U5.D9(NO_FRAME_OUT_N)
NO_FRAME_OUT_P0: J1.234(54) U3.D10(NO_FRAME_OUT_P)
NO_FRAME_OUT_P1: J1.174(54) U1.D10(NO_FRAME_OUT_P)
NO_FRAME_OUT_P2: J1.114(54) U7.D10(NO_FRAME_OUT_P)
NO_FRAME_OUT_P3: J1.54 U5.D10(NO_FRAME_OUT_P)
NO_LCLK_IN_N0: J1.239(59) R120.2 U3.A6(NO_LCLK_IN_N)
NO_LCLK_IN_N1: J1.179(59) R6.2 U1.A6(NO_LCLK_IN_N)
NO_LCLK_IN_N2: J1.119(59) R348.2 U7.A6(NO_LCLK_IN_N)
NO_LCLK_IN_N3: J1.59 R234.2 U5.A6(NO_LCLK_IN_N)
NO_LCLK_IN_P0: J1.237(57) R120.1 U3.A7(NO_LCLK_IN_P)
NO_LCLK_IN_P1: J1.177(57) R6.1 U1.A7(NO_LCLK_IN_P)
NO_LCLK_IN_P2: J1.117(57) R348.1 U7.A7(NO_LCLK_IN_P)
NO_LCLK_IN_P3: J1.57 R234.1 U5.A7(NO_LCLK_IN_P)
NO_LCLK_OUT_N0: J1.240(60) U3.A12(NO_LCLK_OUT_N)
NO_LCLK_OUT_N1: J1.180(60) U1.A12(NO_LCLK_OUT_N)
NO_LCLK_OUT_N2: J1.120(60) U7.A12(NO_LCLK_OUT_N)
NO_LCLK_OUT_N3: J1.60 U5.A12(NO_LCLK_OUT_N)
NO_LCLK_OUT_P0: J1.238(58) U3.A13(NO_LCLK_OUT_P)
NO_LCLK_OUT_P1: J1.178(58) U1.A13(NO_LCLK_OUT_P)
NO_LCLK_OUT_P2: J1.118(58) U7.A13(NO_LCLK_OUT_P)
NO_LCLK_OUT_P3: J1.58 U5.A13(NO_LCLK_OUT_P)
NO_WAIT_RD_IN_N0: J1.226(46) R124.2 U3.B11(NO_WAIT_RD_IN_N)
NO_WAIT_RD_IN_N1: J1.166(46) R10.2 U1.B11(NO_WAIT_RD_IN_N)
NO_WAIT_RD_IN_N2: J1.106(46) R352.2 U7.B11(NO_WAIT_RD_IN_N)
NO_WAIT_RD_IN_N3: J1.46 R238.2 U5.B11(NO_WAIT_RD_IN_N)
NO_WAIT_RD_IN_P0: J1.224(44) R124.1 U3.B12(NO_WAIT_RD_IN_P)
NO_WAIT_RD_IN_P1: J1.164(44) R10.1 U1.B12(NO_WAIT_RD_IN_P)
NO_WAIT_RD_IN_P2: J1.104(44) R352.1 U7.B12(NO_WAIT_RD_IN_P)
NO_WAIT_RD_IN_P3: J1.44 R238.1 U5.B12(NO_WAIT_RD_IN_P)
NO_WAIT_RD_OUT_N0: J1.225(45) U3.B9(NO_WAIT_RD_OUT_N)
NO_WAIT_RD_OUT_N1: J1.165(45) U1.B9(NO_WAIT_RD_OUT_N)
NO_WAIT_RD_OUT_N2: J1.105(45) U7.B9(NO_WAIT_RD_OUT_N)
NO_WAIT_RD_OUT_N3: J1.45 U5.B9(NO_WAIT_RD_OUT_N)
NO_WAIT_RD_OUT_P0: J1.223(43) U3.B10(NO_WAIT_RD_OUT_P)
NO_WAIT_RD_OUT_P1: J1.163(43) U1.B10(NO_WAIT_RD_OUT_P)
NO_WAIT_RD_OUT_P2: J1.103(43) U7.B10(NO_WAIT_RD_OUT_P)
NO_WAIT_RD_OUT_P3: J1.43 U5.B10(NO_WAIT_RD_OUT_P)
NO_WAIT_WR_IN_N0: J1.230(50) R126.2 U3.C10(NO_WAIT_WR_IN_N)
NO_WAIT_WR_IN_N1: J1.170(50) R12.2 U1.C10(NO_WAIT_WR_IN_N)
NO_WAIT_WR_IN_N2: J1.110(50) R354.2 U7.C10(NO_WAIT_WR_IN_N)
NO_WAIT_WR_IN_N3: J1.50 R240.2 U5.C10(NO_WAIT_WR_IN_N)
NO_WAIT_WR_IN_P0: J1.228(48) R126.1 U3.C11(NO_WAIT_WR_IN_P)
NO_WAIT_WR_IN_P1: J1.168(48) R12.1 U1.C11(NO_WAIT_WR_IN_P)
NO_WAIT_WR_IN_P2: J1.108(48) R354.1 U7.C11(NO_WAIT_WR_IN_P)
NO_WAIT_WR_IN_P3: J1.48 R240.1 U5.C11(NO_WAIT_WR_IN_P)
NO_WAIT_WR_OUT_N0: J1.229(49) U3.C8(NO_WAIT_WR_OUT_N)
NO_WAIT_WR_OUT_N1: J1.169(49) U1.C8(NO_WAIT_WR_OUT_N)
NO_WAIT_WR_OUT_N2: J1.109(49) U7.C8(NO_WAIT_WR_OUT_N)
NO_WAIT_WR_OUT_N3: J1.49 U5.C8(NO_WAIT_WR_OUT_N)
NO_WAIT_WR_OUT_P0: J1.227(47) U3.C9(NO_WAIT_WR_OUT_P)
NO_WAIT_WR_OUT_P1: J1.167(47) U1.C9(NO_WAIT_WR_OUT_P)
NO_WAIT_WR_OUT_P2: J1.107(47) U7.C9(NO_WAIT_WR_OUT_P)
NO_WAIT_WR_OUT_P3: J1.47 U5.C9(NO_WAIT_WR_OUT_P)
NS_DATA_N0: R210.2 U4.V3(SO_DATA_IN_N0) U11.D11(NO_DATA_OUT_N0)
NS_DATA_N0_SNOW4-1: R153.2 U3.V3(SO_DATA_IN_N0) U4.D11(NO_DATA_OUT_N0)
NS_DATA_N0_SNOW4-2: R381.2 U7.V3(SO_DATA_IN_N0) U8.D11(NO_DATA_OUT_N0)
NS_DATA_N0_SNOW4-3: R609.2 U11.V3(SO_DATA_IN_N0) U12.D11(NO_DATA_OUT_N0)
NS_DATA_N0_SNOW4-4: R837.2 U15.V3(SO_DATA_IN_N0) U16.D11(NO_DATA_OUT_N0)
NS_DATA_N1: R212.2 U4.U4(SO_DATA_IN_N1) U11.C12(NO_DATA_OUT_N1)
NS_DATA_N1_SNOW4-1: R155.2 U3.U4(SO_DATA_IN_N1) U4.C12(NO_DATA_OUT_N1)
NS_DATA_N1_SNOW4-2: R383.2 U7.U4(SO_DATA_IN_N1) U8.C12(NO_DATA_OUT_N1)
NS_DATA_N1_SNOW4-3: R611.2 U11.U4(SO_DATA_IN_N1) U12.C12(NO_DATA_OUT_N1)
NS_DATA_N1_SNOW4-4: R839.2 U15.U4(SO_DATA_IN_N1) U16.C12(NO_DATA_OUT_N1)
NS_DATA_N2: R208.2 U4.T5(SO_DATA_IN_N2) U11.B13(NO_DATA_OUT_N2)
NS_DATA_N2_SNOW4-1: R151.2 U3.T5(SO_DATA_IN_N2) U4.B13(NO_DATA_OUT_N2)
NS_DATA_N2_SNOW4-2: R379.2 U7.T5(SO_DATA_IN_N2) U8.B13(NO_DATA_OUT_N2)
NS_DATA_N2_SNOW4-3: R607.2 U11.T5(SO_DATA_IN_N2) U12.B13(NO_DATA_OUT_N2)
NS_DATA_N2_SNOW4-4: R835.2 U15.T5(SO_DATA_IN_N2) U16.B13(NO_DATA_OUT_N2)
NS_DATA_N3: R214.2 U4.R6(SO_DATA_IN_N3) U11.A14(NO_DATA_OUT_N3)
NS_DATA_N3_SNOW4-1: R157.2 U3.R6(SO_DATA_IN_N3) U4.A14(NO_DATA_OUT_N3)
NS_DATA_N3_SNOW4-2: R385.2 U7.R6(SO_DATA_IN_N3) U8.A14(NO_DATA_OUT_N3)
NS_DATA_N3_SNOW4-3: R613.2 U11.R6(SO_DATA_IN_N3) U12.A14(NO_DATA_OUT_N3)
NS_DATA_N3_SNOW4-4: R841.2 U15.R6(SO_DATA_IN_N3) U16.A14(NO_DATA_OUT_N3)
NS_DATA_N4: R216.2 U4.V5(SO_DATA_IN_N4) U11.D13(NO_DATA_OUT_N4)